# Altium PCB PCB3.PcbDoc (part 2 of 8) (continued)
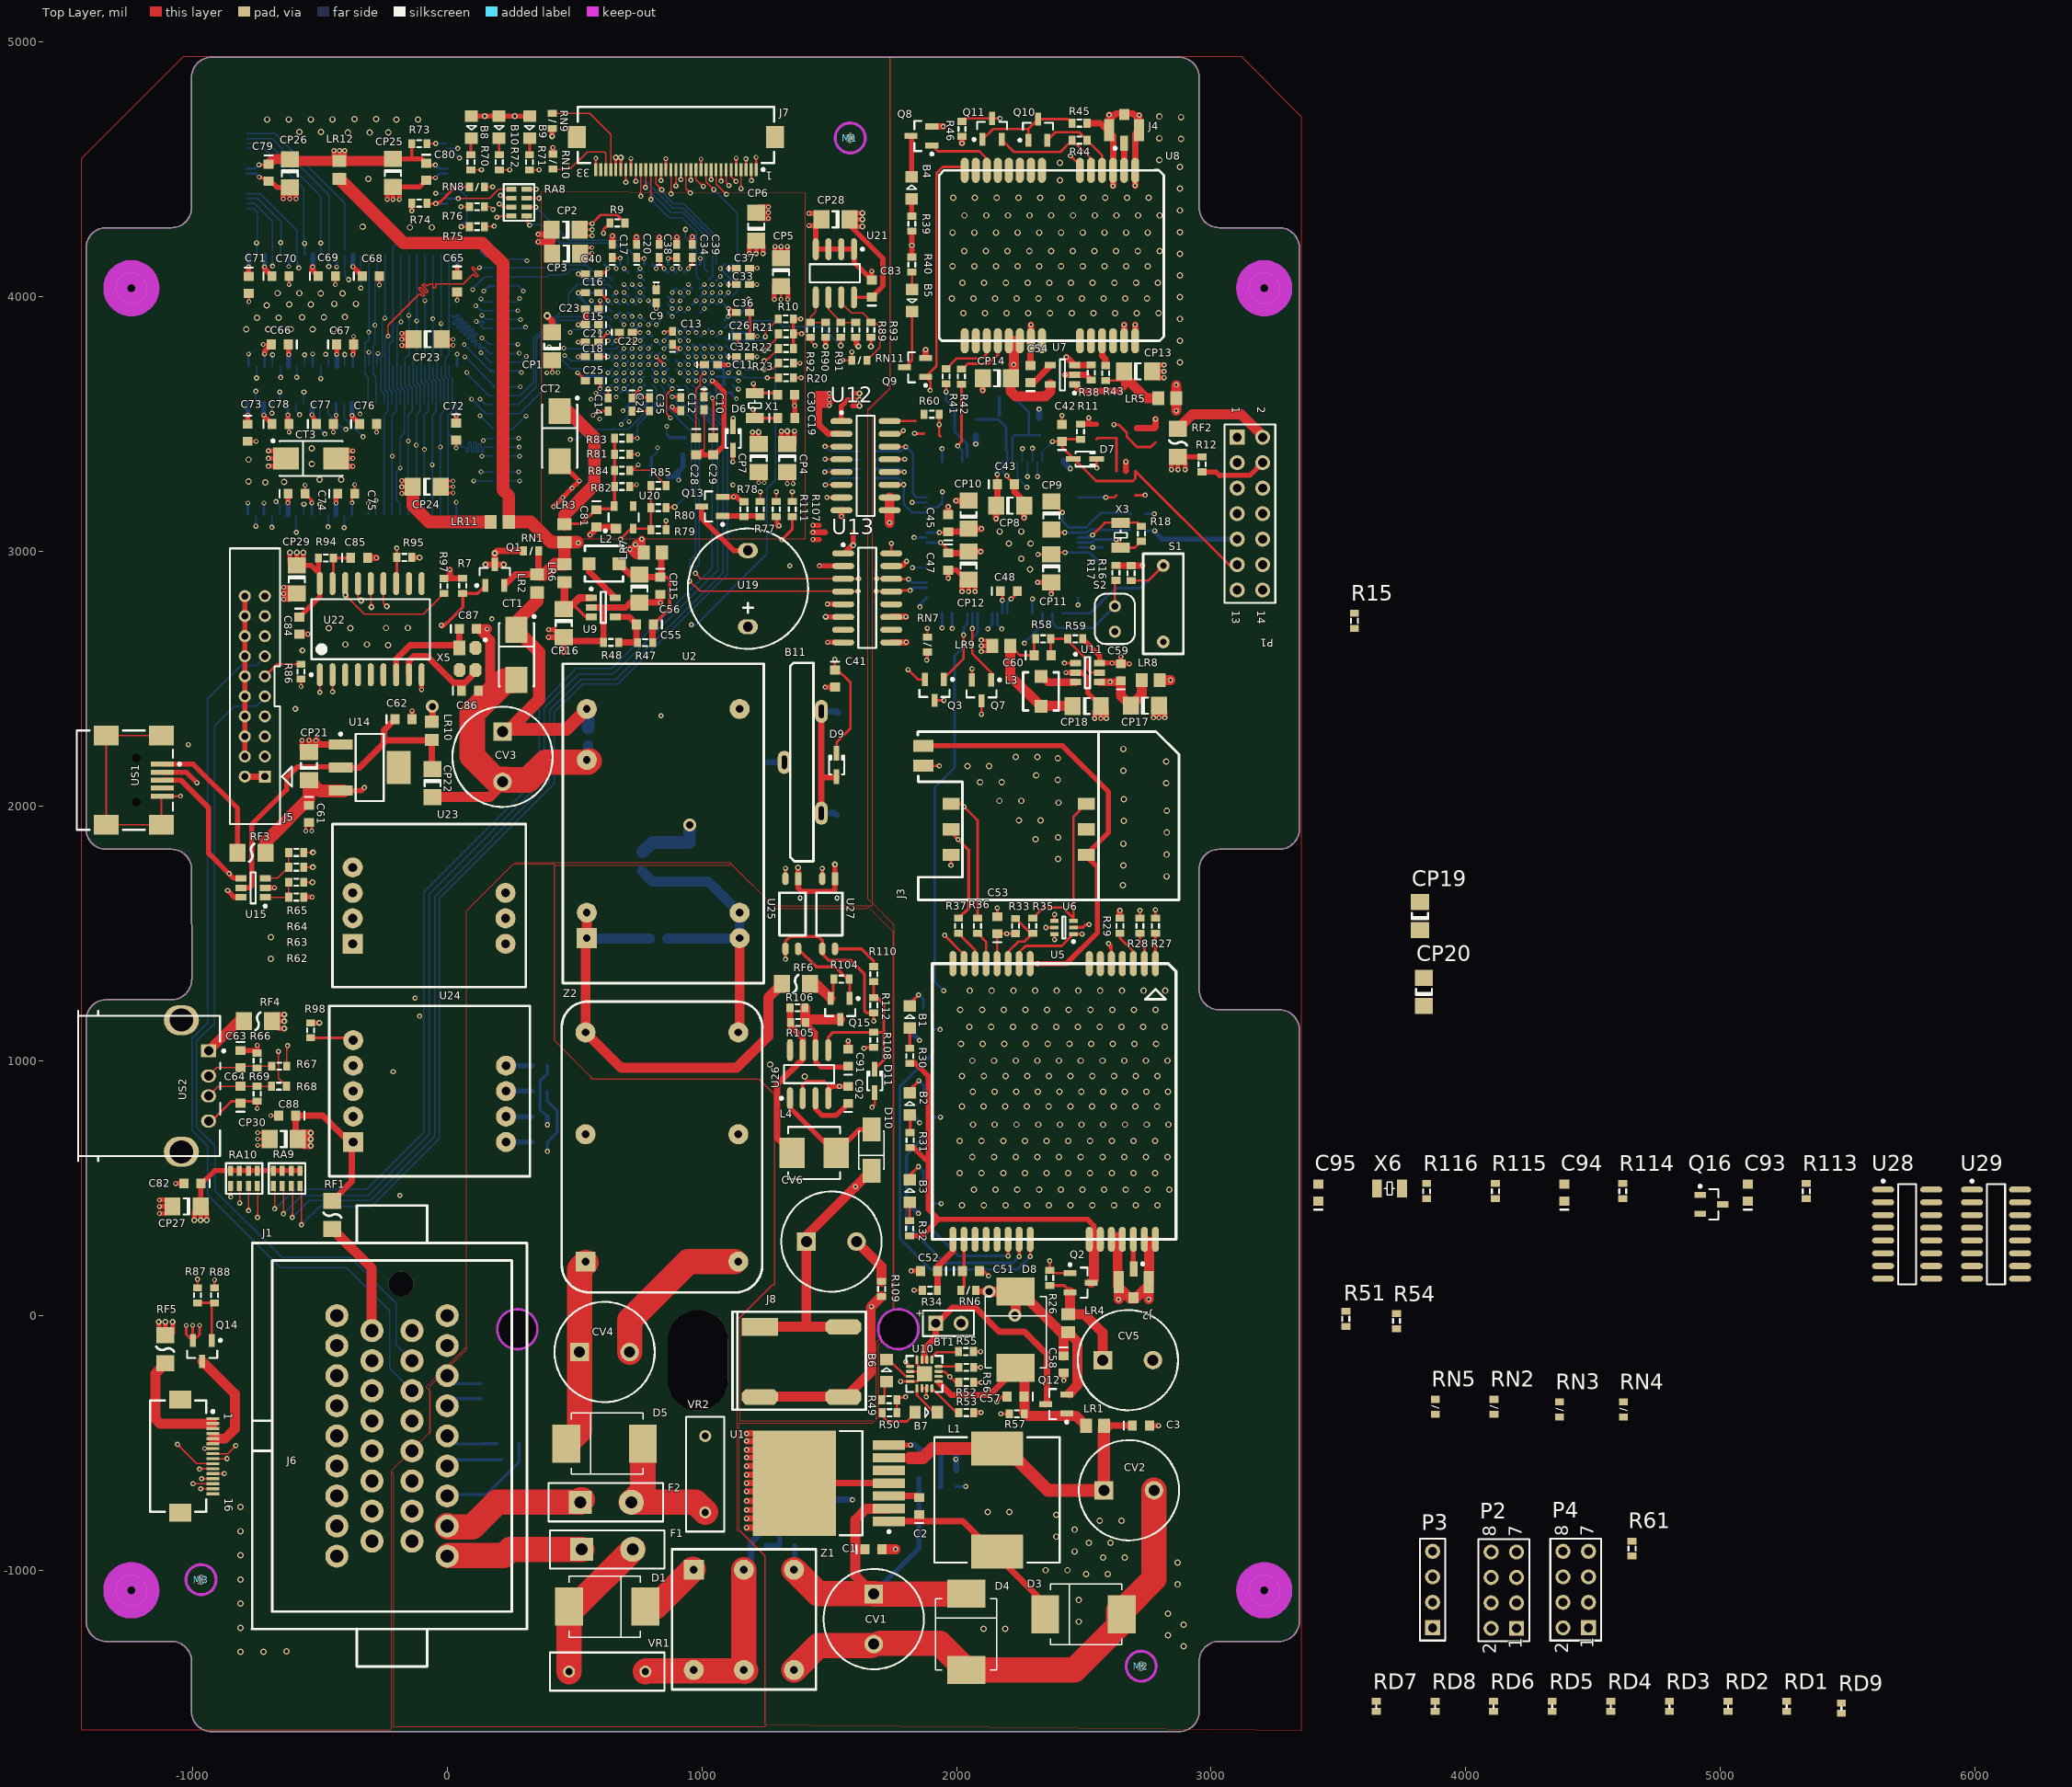
[diagram p0: Top Layer view]
## Nets (pads, with @x,y where several pads share a name; then routed paths per layer and width w, separated by ;. In a path a pad name is that pad's centre, name@x,y a point inside that pad or via, vN(x,y) a via of type N, cw(c..) or ccw(c..) an arc to the next point about the centre after c; other vN are vias at no path point)
10: R115.1 R116.2 U28.10
11: C95.1 R116.1 U28.11 X6.1
ACC: R15.2 R60.2 R61.1 U28.16 U29.16 | length 2169
  Top Layer w10: v2@1928.55,3495.48 cw(c1920.01,3486.94) 1932.09,3486.94 cw(c1944.16,3486.95) v2@1935.62,3495.48 ; v2@1928.55,3502.55 ccw(c1920.01,3511.09) 1932.09,3511.09 ccw(c1944.16,3511.09) v2@1935.62,3502.55 ; R60.2@1932.09,3539.37 v2(1932.09,3499.02) 1932.09,3462.6 1932.09,3456.69 1937.01,3451.77 ; v2@2619.09,3498.03 2636.81,3498.03 2669.29,3465.55 2669.29,3449.81 2708.66,3410.43 2762.8,3410.43 2781.5,3429.13 ; v2@2621.65,3502.55 ccw(c2632.56,3513.46) 2632.56,3498.03
  DATA w10: v2@1928.55,3495.48 cw(c1920.02,3486.95) 1932.09,3486.95 cw(c1944.16,3486.95) 1935.62,3495.48 cw(c1944.16,3486.95) 1944.16,3499.02 cw(c1944.16,3511.09) v2@1935.62,3502.55 ; v2@2473.83,2786.82 ccw(c2465.29,2778.28) 2465.29,2790.35 ccw(c2465.29,2802.43) v2@2473.83,2793.89 ; v2(2477.36,2790.35) 2358.27,2790.35 2038.39,3110.24 2038.39,3347.44 1932.09,3453.74 v2(1932.09,3499.02) v2(2618.11,3499.02) ; v2@2614.57,3495.48 ccw(c2606.04,3486.95) 2606.04,3499.02 ccw(c2606.04,3511.09) v2@2614.57,3502.55
  Bottom Layer w10: v2@2473.83,2793.89 ccw(c2465.29,2802.43) 2477.36,2802.43 ccw(c2489.43,2802.43) v2@2480.9,2793.89 ; v2(2477.36,2790.35) 2477.36,2818.9
ACC24: C6.1 R5.2 U4.100 | length 5768.7
  DATA w25: v2@1592.52,-723.43 2219.49,-723.43 2349.41,-593.5 2722.44,-593.5 2902.56,-413.39 2902.56,3109.25 2715.55,3296.26 2476.38,3296.26 v2(2446.85,3325.79)
  Bottom Layer w25: R5.2@1438.98,-723.43 v2(1591.54,-723.43) ; R5.2@1438.98,-720.47 C6.1@1438.98,-652.56 ; 2422.24,3357.28 2422.24,3350.39 v2(2446.85,3325.79)
AFALE: RA8.5 U3.D1 | length 573.9
  Top Layer w5: RA8.5@312.48,4317.58 312.48,4292.83 ; v2@316.35,4282.17 ccw(c303.01,4283.37) 312.48,4292.83 ; v2@323.15,4288.97 cw(c321.95,4302.3) 312.48,4292.83 ; v2(323.82,4281.5) 312.48,4292.83
  Bottom Layer w5: v2(323.82,4281.5) 325.79,4283.46 370.08,4283.46 442.91,4210.63 659.86,4210.63 710.6,4159.88 U3.D1@710.6,4127.4 ; v2@325.59,4279.73 cw(c334.61,4270.71) 334.61,4283.46 ; v2@329.12,4276.19 cw(c346.68,4258.64) 346.68,4283.46 ; v2@329.12,4286.8 ccw(c337.17,4294.85) 337.17,4283.46
AFCLE: R75.2 U3.F5 | length 958.3
  Top Layer w5: R75.2@146.65,4275.59 v2@183.07,4275.59 ; 162.18,4275.59 ccw(c162.18,4300.42) v2@179.74,4282.86 ; 171.69,4275.59 cw(c171.69,4264.2) v2@179.74,4272.26 ; 174.25,4275.59 ccw(c174.25,4288.35) v2@183.27,4279.33
  ADDR w5: v2(185.04,4277.56) 210.63,4277.56 238.19,4305.12 622.46,4305.12 742.1,4185.47 742.1,4032.92 v1(757.85,4017.17) ; v2@190.34,4272.26 cw(c203.15,4259.45) 203.15,4277.56 cw(c203.15,4295.67) v2@190.34,4282.86 ; v1@751.35,4017.17 ccw(c735.66,4017.17) 746.75,4028.26 ccw(c757.85,4039.36) v1@757.85,4023.67
  Bottom Layer w10: v1@757.85,4013.17 cw(c757.85,4003.51) 764.68,4010.34 cw(c771.51,4017.17) v1@761.85,4017.17 ; v1(757.85,4017.17) U3.F5@773.6,4001.42
AFNFCE: RA8.7 U3.F4 | length 773.1
  Top Layer w5: RA8.7@312.48,4387.58 v2(360.45,4387.58) ; v2@355.15,4382.28 ccw(c342.35,4369.47) 342.35,4387.58 ccw(c342.35,4405.69) v2@355.15,4392.88
  DATA w5: v2(360.45,4387.58) 535.65,4387.58 726.38,4196.85 726.38,4080.14 v1(757.85,4048.66) ; v2@365.76,4382.28 cw(c378.56,4369.47) 378.56,4387.58 cw(c378.56,4405.69) v2@365.76,4392.88 ; v1@751.35,4048.66 ccw(c735.66,4048.66) 746.75,4059.76 ccw(c757.85,4070.86) v1@757.85,4055.16
  Bottom Layer w10: v1@757.85,4044.66 cw(c757.85,4035.01) 764.68,4041.84 cw(c771.51,4048.66) v1@761.85,4048.66 ; v1(757.85,4048.66) U3.F4@773.6,4032.92
AFNFRE: RA8.6 U3.E1 | length 595.9
  Top Layer w5: RA8.6@312.48,4352.58 v2(348.21,4352.58) ; v2@342.91,4347.28 ccw(c330.1,4334.47) 330.1,4352.58 ccw(c330.1,4370.69) v2@342.91,4357.88
  Bottom Layer w5: v2@348.21,4345.08 cw(c348.21,4326.97) 361.01,4339.78 cw(c373.82,4352.58) v2@355.71,4352.58 ; v2(348.21,4352.58) 479.33,4221.46 675.61,4221.46 742.1,4154.96 U3.E1@742.1,4127.4
AFNFWE: RA8.8 U3.F3 | length 772.8
  Top Layer w5: RA8.8@312.48,4422.58 v2(349.74,4422.58) ; v2@344.44,4417.28 ccw(c331.64,4404.47) 331.64,4422.58 ccw(c331.64,4440.69) v2@344.44,4427.88
  DATA w5: v2(349.74,4422.58) 529.19,4422.58 742.1,4209.67 742.1,4095.91 v1(757.85,4080.16) ; v2@355.05,4417.28 cw(c367.85,4404.47) 367.85,4422.58 cw(c367.85,4440.69) v2@355.05,4427.88 ; v1@751.35,4080.16 ccw(c735.66,4080.16) 746.75,4091.26 ccw(c757.85,4102.35) v1@757.85,4086.66
  Bottom Layer w10: v1@757.85,4076.16 cw(c757.85,4066.5) 764.68,4073.33 cw(c771.51,4080.16) v1@761.85,4080.16 ; v1(757.85,4080.16) U3.F3@773.6,4064.41
AFRNB: R76.2 U3.G6 | length 1012
  Top Layer w5: R76.2@146.65,4353.84 169.78,4353.84 ; v2@172.72,4344.72 ccw(c162.37,4346.42) 169.78,4353.84 ; v2@178.9,4350.9 cw(c177.2,4361.26) 169.78,4353.84 ; v2(180.12,4343.5) 169.78,4353.84
  ADDR w5: v2(180.12,4343.5) 202.76,4343.5 217.03,4329.23 627.46,4329.23 789.34,4167.35 v1(789.34,3985.67) ; v2@185.42,4338.2 cw(c198.22,4325.4) 198.22,4343.5 cw(c198.22,4361.61) v2@185.42,4348.81 ; v1@784.75,3990.27 ccw(c773.65,4001.36) 789.34,4001.36 ccw(c805.04,4001.36) v1@793.94,3990.27
  Bottom Layer w10: v1@789.34,3981.67 cw(c789.34,3972.02) 796.17,3978.84 cw(c803,3985.67) v1@793.34,3985.67 ; v1(789.34,3985.67) U3.G6@805.09,3969.92
ALADDR2: RA3.2 U3.B7 | length 649.7
  DATA w5: v1(277.82,3946.02) 287.82,3946.02 ; v1@283.76,3943.38 cw(c287.82,3941.57) 287.82,3946.02 ; v1@283.76,3948.65 ccw(c287.82,3950.46) 287.82,3946.02 ; 534.58,3978.78 ccw(c534.58,4018) v1@562.31,3990.27 ; 546.65,3978.78 ccw(c546.65,4005.92) v1@565.84,3986.73 ; 558.72,3978.78 ccw(c558.72,3993.85) v1@569.38,3983.2 ; v1(566.9,3985.67) 560.01,3978.78 348.05,3978.78 343.57,3974.3 ccw(c347.1,3970.76) 343.57,3967.23 346.06,3964.74 cw(c342.52,3961.2) 346.06,3957.67 cw(c342.52,3961.2) 338.99,3957.67 332.96,3963.69 322.35,3974.3 ccw(c318.82,3970.76) 315.28,3974.3 ccw(c318.82,3970.76) 315.28,3967.23 322.35,3960.16 cw(c318.82,3956.62) 322.35,3953.09 315.28,3946.02 307.82,3946.02 ccw(c307.82,3941.02) 302.82,3941.02 302.82,3931.02 cw(c297.82,3931.02) 297.82,3926.02 cw(c297.82,3931.02) 292.82,3931.02 292.82,3941.02 ccw(c287.82,3941.02) 287.82,3946.02
  Bottom Layer w5: RA3.2@242.95,3946.02 v1(277.82,3946.02) ; v1@273.22,3941.42 ccw(c262.13,3930.32) 262.13,3946.02 ccw(c262.13,3961.71) v1@273.22,3950.61 ; v1@566.9,3979.17 cw(c566.9,3963.48) 578,3974.57 cw(c589.1,3985.67) v1@573.4,3985.67 ; v1(566.9,3985.67) 598.4,3954.17 631.86,3954.17 U3.B7@647.61,3938.43
ALADDR3: RA4.1 U3.F8 | length 705.9
  DATA w5: v1(278.06,3813.96) 317.43,3813.96 453.71,3950.24 730.29,3950.24 v1(757.85,3922.68) ; v1@282.66,3809.36 cw(c293.76,3798.26) 293.76,3813.96 cw(c293.76,3829.65) v1@282.66,3818.55 ; v1@751.35,3922.68 ccw(c735.66,3922.68) 746.75,3933.77 ccw(c757.85,3944.87) v1@757.85,3929.18
  Bottom Layer w5: RA4.1@231.8,3813.96 RA4.1@242.95,3813.96 v1(278.06,3813.96) ; v1@273.47,3809.36 ccw(c262.37,3798.26) 262.37,3813.96 ccw(c262.37,3829.65) v1@273.47,3818.55
  Bottom Layer w10: RA4.1@231.8,3813.96 RA4.1@232.26,3814.41 ; v1@757.85,3918.68 cw(c757.85,3909.02) 764.68,3915.85 cw(c771.51,3922.68) v1@761.85,3922.68 ; v1(757.85,3922.68) U3.F8@773.6,3906.93
ALADDR4: RA4.3 U3.C7 | length 997.7
  DATA w5: v1(311,3766.18) 318.07,3773.25 cw(c321.6,3769.72) 325.14,3773.25 332.21,3766.18 ccw(c335.75,3769.72) 339.28,3766.18 ccw(c335.75,3769.72) 339.28,3773.25 332.21,3780.32 cw(c335.75,3783.86) 332.21,3787.4 cw(c335.75,3783.86) 339.28,3787.4 346.35,3780.32 ccw(c349.89,3783.86) 353.42,3780.32 ccw(c349.89,3783.86) 353.42,3787.4 346.35,3794.47 cw(c349.89,3798) 346.35,3801.54 cw(c349.89,3798) 353.42,3801.54 360.5,3794.47 ccw(c364.03,3798) 367.57,3794.47 ccw(c364.03,3798) 367.57,3801.54 360.5,3808.61 cw(c364.03,3812.14) 360.5,3815.68 cw(c364.03,3812.14) 367.57,3815.68 374.64,3808.61 ccw(c378.17,3812.14) 381.71,3808.61 ccw(c378.17,3812.14) 381.71,3815.68 374.64,3822.75 cw(c378.17,3826.29) 374.64,3829.82 cw(c378.17,3826.29) 381.71,3829.82 388.78,3822.75 ccw(c392.32,3826.29) 395.85,3822.75 ccw(c392.32,3826.29) 395.85,3829.82 388.78,3836.89 cw(c392.32,3840.43) 388.78,3843.96 cw(c392.32,3840.43) 395.85,3843.96 402.92,3836.89 ccw(c406.46,3840.43) 409.99,3836.89 ccw(c406.46,3840.43) 409.99,3843.96 402.92,3851.04 cw(c406.46,3854.57) 402.92,3858.11 cw(c406.46,3854.57) 409.99,3858.11 417.06,3851.04 ccw(c420.6,3854.57) 424.14,3851.03 ccw(c420.6,3854.57) 424.14,3858.11 417.06,3865.18 cw(c420.6,3868.71) 417.06,3872.25 cw(c420.6,3868.71) 424.14,3872.25 431.21,3865.18 ccw(c434.74,3868.71) 438.28,3865.18 ccw(c434.74,3868.71) 438.28,3872.25 431.21,3879.32 cw(c434.74,3882.85) 431.21,3886.39 cw(c434.74,3882.85) 438.28,3886.39 445.35,3879.32 ccw(c448.88,3882.85) 452.42,3879.32 ccw(c448.88,3882.85) 452.42,3886.39 445.35,3893.46 cw(c448.88,3897) 445.35,3900.53 cw(c448.88,3897) 452.42,3900.53 459.49,3893.46 ccw(c463.03,3897) 466.56,3893.46 ccw(c463.03,3897) 466.56,3900.53 459.49,3907.6 cw(c463.03,3911.14) 459.49,3914.67 467.49,3922.68 487.49,3922.68 cw(c487.49,3917.68) 492.49,3917.68 492.49,3907.68 ccw(c497.49,3907.68) 497.49,3902.68 ccw(c497.49,3907.68) 502.49,3907.68 502.49,3917.68 cw(c507.49,3917.68) 507.49,3922.68 cw(c507.49,3917.68) 512.49,3917.68 512.49,3912.13 ccw(c517.49,3912.13) 517.49,3907.13 ccw(c517.49,3912.13) 522.49,3912.13 522.49,3917.68 cw(c527.49,3917.68) 527.49,3922.68 cw(c527.49,3917.68) 532.49,3917.68 532.49,3907.68 ccw(c537.49,3907.68) 537.49,3902.68 ccw(c537.49,3907.68) 542.49,3907.68 542.49,3921.89 cw(c543.28,3921.89) 543.28,3922.68 v1(663.36,3922.68) ; v1@312.68,3772.46 ccw(c314.46,3779.08) 317.88,3773.15 ; v1@317.45,3766.97 cw(c325.82,3767.99) 321.6,3775.29 ; v1@658.76,3918.08 ccw(c647.67,3906.99) 647.67,3922.68 ccw(c647.67,3938.37) v1@658.76,3927.27
  Bottom Layer w5: RA4.3@242.95,3743.96 288.77,3743.96 v1(311,3766.18) ; v1@304.5,3766.18 cw(c288.81,3766.18) 299.9,3755.09 cw(c311,3743.99) v1@311,3759.68
  Bottom Layer w10: v1(663.36,3922.68) U3.C7@679.11,3938.43 ; v1@663.36,3926.68 ccw(c663.36,3936.34) 670.19,3929.51 ccw(c677.02,3922.68) v1@667.36,3922.68
ALADDR5: RA4.2 U3.D8 | length 641.2
  DATA w5: v1(283.42,3778.96) 295.25,3790.79 312.97,3790.79 460.36,3938.18 679.36,3938.18 v1(694.86,3922.68) ; v1@283.42,3785.46 ccw(c283.42,3801.15) 294.51,3790.05 ccw(c305.61,3778.96) v1@289.92,3778.96 ; v1@688.36,3922.68 ccw(c672.66,3922.68) 683.76,3933.77 ccw(c694.86,3944.87) v1@694.86,3929.18
  Bottom Layer w5: RA4.2@242.95,3778.96 246.06,3778.96 v1(283.42,3778.96) ; v1@278.82,3774.36 ccw(c267.73,3763.26) 267.73,3778.96 ccw(c267.73,3794.65) v1@278.82,3783.55
  Bottom Layer w10: RA4.2@246.06,3778.96 RA4.2@249.97,3775.04 ; v1@694.86,3918.68 cw(c694.86,3909.02) 701.69,3915.85 cw(c708.51,3922.68) v1@698.86,3922.68 ; v1(694.86,3922.68) U3.D8@710.6,3906.93
ALADDR6: RA6.3 U3.E8 | length 891.7
  DATA w5: v1(283.49,3409.84) 370.05,3496.4 370.05,3531.93 545.25,3707.13 545.25,3838.03 582.69,3875.48 710.65,3875.48 v1(726.35,3891.18) ; v1@283.49,3416.34 ccw(c283.49,3432.03) 294.58,3420.93 ccw(c305.68,3409.84) v1@289.99,3409.84 ; v1@719.85,3891.18 cw(c704.16,3891.18) 715.26,3880.09 cw(c726.35,3868.99) v1@726.35,3884.68
  Bottom Layer w5: RA6.3@242.95,3409.84 v1(283.49,3409.84) ; v1@278.89,3405.24 ccw(c267.79,3394.14) 267.79,3409.84 ccw(c267.79,3425.53) v1@278.89,3414.43
  Bottom Layer w10: v1(726.35,3891.18) U3.E8@742.1,3906.93 ; v1@726.35,3895.18 ccw(c726.35,3904.84) 733.18,3898.01 ccw(c740.01,3891.18) v1@730.35,3891.18
ALADDR7: RA6.1 U3.D7 | length 861
  DATA w5: v1(310.04,3532.48) 310.04,3535.89 478.32,3704.17 478.32,3826.22 558.78,3906.68 710.36,3906.68 v1(726.35,3922.68) ; v1@310.04,3538.98 ccw(c310.04,3546.43) 315.31,3541.16 ; v1@311.54,3532.48 cw(c323.4,3532.48) 315.01,3540.87 ; v1@316.54,3532.48 cw(c340.47,3532.48) 323.55,3549.4 ; v1@719.85,3922.68 cw(c704.16,3922.68) 715.26,3911.58 cw(c726.35,3900.49) v1@726.35,3916.18
  Bottom Layer w5: RA6.1@242.95,3479.84 256.94,3479.84 309.58,3532.48 v1(310.04,3532.48) ; 298.16,3521.06 cw(c310.04,3509.18) v1@310.04,3525.98 ; 299.27,3522.17 ccw(c288.96,3532.48) v1@303.54,3532.48
  Bottom Layer w10: U3.D7@710.6,3938.43 v1(726.35,3922.68) ; v1@722.35,3922.68 ccw(c712.7,3922.68) 719.52,3929.51 ccw(c726.35,3936.34) v1@726.35,3926.68
ALADDR8: RA7.1 U3.G8 | length 1009.4
  DATA w5: v1(280.82,3312.78) 404.5,3436.46 404.5,3519.14 586.59,3701.22 586.59,3787.84 609.19,3810.43 670.21,3810.43 703.71,3843.94 764,3843.94 764.25,3844.19 773.6,3853.51 773.6,3874.94 789.34,3890.69 v1(789.34,3891.18) ; v1@280.82,3319.28 ccw(c280.82,3334.97) 291.92,3323.87 ccw(c303.01,3312.78) v1@287.32,3312.78 ; 777.9,3879.24 ccw(c765.96,3891.18) v1@782.84,3891.18 ; 779.1,3880.44 cw(c789.34,3870.19) v1@789.34,3884.68
  Bottom Layer w5: RA7.1@242.95,3312.78 v1(280.82,3312.78) ; v1@276.22,3308.18 ccw(c265.13,3297.08) 265.13,3312.78 ccw(c265.13,3328.47) v1@276.22,3317.37
  Bottom Layer w10: v1(789.34,3891.18) U3.G8@805.09,3906.93 ; v1@789.34,3895.18 ccw(c789.34,3904.84) 796.17,3898.01 ccw(c803,3891.18) v1@793.34,3891.18
ALADDR9: RA5.3 U3.B8 | length 662.8
  Bottom Layer w5: RA5.3@242.95,3576.9 279.19,3576.9 348.54,3646.25 348.54,3831.28 439.94,3922.68 631.86,3922.68 U3.B8@647.61,3906.93
ALADDR10: RA5.4 U3.A8 | length 671.9
  Bottom Layer w5: 222.54,3541.9 RA5.4@242.95,3541.9 284.55,3541.9 371.04,3628.39 371.04,3838.03 440.35,3907.35 552.71,3907.35 553.12,3906.93 U3.A8@616.12,3906.93
  Bottom Layer w10: 222.54,3541.9 RA5.4@225.37,3544.73
ALADDR11: RA6.2 U3.C8 | length 846.8
  DATA w5: v1@276.37,3449.43 ccw(c265.27,3460.53) 280.97,3460.53 ccw(c296.66,3460.53) v1@285.56,3449.43 ; v1(280.97,3444.84) 280.97,3474.34 494.07,3687.44 494.07,3826.22 559.03,3891.18 v1(694.86,3891.18) ; v1@690.26,3886.59 ccw(c679.16,3875.49) 679.16,3891.18 ccw(c679.16,3906.87) v1@690.26,3895.78
  Bottom Layer w5: RA6.2@242.95,3444.84 v1(280.97,3444.84) ; v1@276.37,3440.24 ccw(c265.27,3429.14) 265.27,3444.84 ccw(c265.27,3460.53) v1@276.37,3449.43
  Bottom Layer w10: U3.C8@679.11,3906.93 v1(694.86,3891.18) ; v1@690.86,3891.18 ccw(c681.2,3891.18) 688.03,3898.01 ccw(c694.86,3904.84) v1@694.86,3895.18
ALADDR12: RA4.4 U3.B9 | length 591.9
  DATA w5.91: v1(291.29,3703.18) 325.75,3703.18 v1(483.24,3860.67) ; v1@295.56,3698.91 cw(c305.89,3688.58) 305.89,3703.18 cw(c305.89,3717.78) v1@295.56,3707.46 ; v1@477.2,3860.67 cw(c462.6,3860.67) 472.92,3850.35 cw(c483.24,3840.02) v1@483.24,3854.62
  Bottom Layer w5.91: RA4.4@242.95,3708.96 285.51,3708.96 v1(291.29,3703.18) ; RA4.4@262.75,3708.96 cw(c262.75,3674.64) v1@287.01,3698.91 ; 277,3708.96 cw(c277,3688.9) v1@291.19,3703.08 ; v1(483.24,3860.67) 483.24,3865.54 490.13,3872.43 ; v1@488.65,3863.37 cw(c495.69,3866.87) 490.13,3872.43 ; 632.79,3890.26 574.42,3890.26 556.59,3872.43 490.13,3872.43
  Bottom Layer w6: 632.79,3890.26 U3.B9@647.61,3875.43
ALADDR13: RA7.2 U3.H8 | length 1075.2
  DATA w5: v1(284.21,3277.78) 419.76,3413.33 419.76,3509.78 600.37,3690.39 600.37,3777.99 619.07,3796.69 672.94,3796.69 688.44,3812.19 772.36,3812.19 820.84,3860.67 v1(820.84,3891.18) ; v1@284.21,3284.28 ccw(c284.21,3299.97) 295.3,3288.87 ccw(c306.4,3277.78) v1@290.71,3277.78 ; v1@816.24,3886.59 cw(c805.15,3875.49) 820.84,3875.49 cw(c836.53,3875.49) v1@825.44,3886.59
  Bottom Layer w5: RA7.2@242.95,3277.78 RA7.2@253.7,3277.78 ; RA7.2@253.91,3277.99 RA7.2@253.7,3277.78 ; v1@279.61,3273.18 ccw(c268.51,3262.08) 268.51,3277.78 ccw(c268.51,3293.47) v1@279.61,3282.37 ; v1(284.21,3277.78) RA7.2@253.7,3277.78
  Bottom Layer w10: RA7.2@238.8,3281.93 RA7.2@242.95,3277.78 ; v1(820.84,3891.18) U3.H8@836.59,3906.93 ; v1@820.84,3895.18 ccw(c820.84,3904.84) 827.67,3898.01 ccw(c834.5,3891.18) v1@824.84,3891.18
ALADDR14: RA6.4 U3.E9 | length 924.9
  DATA w5: v1(284.81,3374.84) 389.74,3479.76 389.74,3527.99 564.94,3703.19 564.94,3799.65 609.23,3843.94 648.6,3843.94 665.33,3860.67 727.34,3860.67 v1(757.85,3891.18) ; v1@284.81,3381.34 ccw(c284.81,3397.03) 295.91,3385.93 ccw(c307,3374.84) v1@291.31,3374.84 ; v1@751.35,3891.18 cw(c735.66,3891.18) 746.75,3880.09 cw(c757.85,3868.99) v1@757.85,3884.68
  Bottom Layer w5: RA6.4@242.95,3374.84 v1(284.81,3374.84) ; v1@280.21,3370.24 ccw(c269.12,3359.14) 269.12,3374.84 ccw(c269.12,3390.53) v1@280.21,3379.43
  Bottom Layer w10: U3.E9@742.1,3875.43 v1(757.85,3891.18) ; v1@753.85,3891.18 cw(c744.19,3891.18) 751.02,3884.35 cw(c757.85,3877.53) v1@757.85,3887.18
ALADDR24: RA5.1 U3.C11 | length 613.2
  DATA w5: v1(287.19,3646.9) 308.84,3646.9 v1@459.62,3797.68 ; v1@291.78,3642.3 cw(c302.88,3631.2) 302.88,3646.9 cw(c302.88,3662.59) v1@291.78,3651.49 ; 446.15,3784.21 ccw(c431.69,3798.66) v1@452.14,3798.66 ; 450.9,3788.96 cw(c458.64,3781.22) v1@458.64,3792.16
  Bottom Layer w5: RA5.1@242.95,3646.9 v1(287.19,3646.9) ; v1@282.59,3642.3 ccw(c271.49,3631.2) 271.49,3646.9 ccw(c271.49,3662.59) v1@282.59,3651.49 ; v1@459.62,3797.68 460.86,3796.43 663.1,3796.43 U3.C11@679.11,3812.44 ; v1@459.7,3799.72 ccw(c467.64,3807.66) 467.64,3796.43 ; v1@463.23,3794.07 cw(c468.95,3788.35) 468.95,3796.43 ; v1@463.23,3803.26 ccw(c479.71,3819.73) 479.71,3796.43
  other v1: 458.64,3798.66
ALADDR25: RA3.4 U3.G10 | length 952.7
  DATA w5: v1(308.05,3881.34) 310.01,3881.34 317.89,3889.21 ; v1@310.21,3887.47 ccw(c312.66,3894.44) 317.89,3889.21 ; v1@314.55,3881.34 cw(c325.49,3881.34) 317.75,3889.08 ; v1(789.34,3859.69) 805.09,3875.43 805.09,3907.91 752.33,3960.67 389.35,3960.67 374.46,3945.78 cw(c370.92,3949.32) 367.39,3945.78 367.04,3946.13 ccw(c363.5,3942.59) 359.97,3946.13 ccw(c363.5,3942.59) 359.97,3939.06 363.85,3935.18 369.73,3929.3 cw(c366.19,3925.76) 369.73,3922.23 cw(c366.19,3925.76) 362.66,3922.23 356.78,3928.1 352.9,3931.99 ccw(c349.36,3928.45) 345.83,3931.99 ccw(c349.36,3928.45) 345.83,3924.91 360.31,3910.43 cw(c356.78,3906.89) 360.31,3903.36 cw(c356.78,3906.89) 353.24,3903.36 342.64,3913.96 338.76,3917.84 ccw(c335.22,3914.31) 331.68,3917.84 ccw(c335.22,3914.31) 331.68,3910.77 335.57,3906.89 346.17,3896.28 cw(c342.64,3892.75) 346.17,3889.21 cw(c342.64,3892.75) 339.1,3889.21 324.61,3903.7 ccw(c321.08,3900.17) 317.54,3903.7 ccw(c321.08,3900.17) 317.54,3896.63 317.89,3896.28 cw(c314.35,3892.75) 317.89,3889.21 ; v1@789.34,3866.19 ccw(c789.34,3881.88) 800.44,3870.78 ccw(c811.54,3859.69) v1@795.84,3859.69
  Bottom Layer w5: RA3.4@242.95,3876.02 302.72,3876.02 v1(308.05,3881.34) ; 279.5,3876.02 ccw(c279.5,3909.88) v1@303.45,3885.94 ; 291.57,3876.02 ccw(c291.57,3897.81) v1@306.98,3882.4
  Bottom Layer w10: v1@789.34,3855.69 cw(c789.34,3846.03) 796.17,3852.86 cw(c803,3859.69) v1@793.34,3859.69 ; v1(789.34,3859.69) U3.G10@805.09,3843.94
ALNSCAS: RA2.4 U3.D6 | length 608.4
  DATA w5: v1@299.19,4016.57 cw(c299.19,4000.88) 310.28,4011.98 cw(c321.38,4023.07) v1@305.69,4023.07 ; v1(299.19,4023.07) 312.97,4009.29 462.57,4009.29 488.16,4034.88 623.99,4034.88 647.86,4011.01 647.86,4010.75 656.94,4001.67 678.86,4001.67 v1(694.86,3985.67) ; v1@688.36,3985.67 ccw(c672.66,3985.67) 683.76,3996.77 ccw(c694.86,4007.86) v1@694.86,3992.17
  Bottom Layer w5: RA2.4@242.95,4043.08 279.18,4043.08 v1(299.19,4023.07) ; v1@292.69,4023.07 ccw(c276.99,4023.07) 288.09,4034.17 ccw(c299.19,4045.26) v1@299.19,4029.57
  Bottom Layer w10: v1@694.86,3981.67 cw(c694.86,3972.02) 701.69,3978.84 cw(c708.51,3985.67) v1@698.86,3985.67 ; v1(694.86,3985.67) U3.D6@710.6,3969.92
ALNSCS0: RA2.1 U3.D2 | length 782.4
  DATA w5: v1(312.94,4142.18) 330.68,4142.17 ccw(c330.68,4147.17) 335.68,4147.17 335.68,4154.83 cw(c340.68,4154.83) 340.68,4159.83 cw(c340.68,4154.83) 345.68,4154.83 345.68,4129.5 ccw(c350.68,4129.5) 350.68,4124.5 ccw(c350.68,4129.5) 355.68,4129.5 355.68,4154.83 cw(c360.68,4154.83) 360.68,4159.83 cw(c360.68,4154.83) 365.68,4154.83 365.68,4129.5 ccw(c370.68,4129.5) 370.68,4124.5 ccw(c370.68,4129.5) 375.68,4129.5 375.68,4154.83 cw(c380.68,4154.83) 380.68,4159.83 cw(c380.68,4154.83) 385.68,4154.83 385.68,4129.5 ccw(c390.68,4129.5) 390.68,4124.5 ccw(c390.68,4129.5) 395.68,4129.5 395.68,4137.17 cw(c400.68,4137.17) 400.68,4142.17 522.86,4142.17 535.09,4129.93 676.58,4129.93 v1(694.86,4111.66) ; v1@317.54,4137.58 cw(c328.6,4126.52) 328.6,4142.17 ; v1@317.54,4146.78 ccw(c328.67,4157.9) 328.67,4142.17 ; v1@688.36,4111.66 ccw(c672.66,4111.66) 683.76,4122.75 ccw(c694.86,4133.85) v1@694.86,4118.16
  Bottom Layer w5: RA2.1@242.95,4148.08 307.04,4148.08 v1(312.94,4142.18) ; 283.01,4148.08 cw(c283.01,4112.25) v1@308.35,4137.58 ; 295.08,4148.08 cw(c295.08,4124.32) v1@311.88,4141.12
  Bottom Layer w10: v1@694.86,4107.66 cw(c694.86,4098) 701.69,4104.83 cw(c708.51,4111.66) v1@698.86,4111.66 ; v1(694.86,4111.66) U3.D2@710.6,4095.91
ALNSRAS: RA3.1 U3.C6 | length 523.8
  DATA w5: v1(284.42,3993.54) 285.41,3994.53 531.47,3994.53 540.33,4003.39 636.79,4003.39 654.5,3985.67 v1(663.36,3985.67) ; v1@289.02,3988.95 cw(c302.49,3975.48) 302.49,3994.53 ; v1@289.02,3998.14 ccw(c297.74,4006.86) 297.74,3994.53
  Bottom Layer w5: RA3.1@242.95,3981.02 271.9,3981.02 v1(284.42,3993.54) ; v1@277.92,3993.54 cw(c262.23,3993.54) 273.33,3982.45 cw(c284.42,3971.35) v1@284.42,3987.04
  Bottom Layer w10: v1@663.36,3981.67 cw(c663.36,3972.02) 670.19,3978.84 cw(c677.02,3985.67) v1@667.36,3985.67 ; v1(663.36,3985.67) U3.C6@679.11,3969.92
ALNWE: RA3.3 U3.E6 | length 626.4
  DATA w5: v1@288.51,3909.88 311,3909.88 370.79,3969.67 710.35,3969.67 v1(726.35,3985.67) ; v1@293.11,3906.42 cw(c301.47,3898.06) 301.47,3909.88 ; v1@293.11,3915.61 ccw(c306.94,3929.44) 306.94,3909.88 ; v1@719.85,3985.67 cw(c704.16,3985.67) 715.26,3974.58 cw(c726.35,3963.48) v1@726.35,3979.17
  Bottom Layer w5: RA3.3@242.95,3911.02 v1(288.51,3911.02) ; v1@283.91,3906.42 ccw(c272.82,3895.32) 272.82,3911.02 ccw(c272.82,3926.71) v1@283.91,3915.61
  Bottom Layer w10: RA3.3@242.8,3910.87 RA3.3@242.95,3911.02 ; v1@726.35,3981.67 cw(c726.35,3972.02) 733.18,3978.84 cw(c740.01,3985.67) v1@730.35,3985.67 ; v1(726.35,3985.67) U3.E6@742.1,3969.92
ALSCKE: RA2.2 U3.A2 | length 390.5
  Bottom Layer w5: RA2.2@242.95,4113.08 395.8,4113.08 408.15,4125.43 547.22,4125.43 576.74,4095.91 U3.A2@616.12,4095.91
ALSCLK0: RA5.2 U3.B4 | length 715.5
  Bottom Layer w5: RA5.2@242.95,3611.9 285.65,3611.9 339.54,3665.79 339.54,3836.06 476.35,3972.88 476.35,4013.23 511.79,4048.66 631.87,4048.66 U3.B4@647.61,4032.92
ALSCLK1: RA2.3 U3.B3 | length 434.6
  Bottom Layer w5: RA2.3@242.95,4078.08 390.72,4078.08 399.58,4086.93 463.09,4086.93 483.59,4107.43 529.59,4107.43 557.59,4079.43 632.59,4079.43 U3.B3@647.61,4064.41
AMP_2_ACC24: F2.1 J1.27 | length 572.6
  Top Layer w100: J1.27@0,-824.8 4.92,-829.72 98.43,-829.72 195,-733.15 F2.1@523.46,-733.15 ; F2.1@523.46,-723.43 F2.1@530.51,-723.43
AMP_2_VCC24: F1.1 J1.26 | length 532.4
  Top Layer w100: J1.26@5.91,-941.93 223.43,-941.93 247.2,-918.15 F1.1@528.46,-918.15
AMP_20_DP0: J1.6
AMP_21_DN0: J1.5
ANT: J2.1 U5.28 | length 124.4
  Top Layer w20: U5.28@2694.88,299.21 2694.88,176.18 J2.1@2695.87,175.2
ANT_DET: Q11.3 R46.1 U8.20 | length 640.2
  Top Layer w10: R46.1@2021.65,4688.98 2033.46,4700.79 Q11.3@2139.76,4700.79 v2(2171.26,4700.79) ; v2@2167.72,4697.25 ccw(c2159.19,4688.72) 2159.19,4700.79 ccw(c2159.19,4712.86) v2@2167.72,4704.32 ; v2@2447.83,4549.13 cw(c2447.83,4537.06) 2456.37,4545.6 cw(c2464.91,4554.13) v2@2452.83,4554.13 ; v2(2447.83,4554.13) 2485.2,4516.77 U8.20@2485.2,4497.05
  ADDR w10: v2(2171.26,4700.79) 2301.18,4700.79 v2(2447.83,4554.13) ; v2@2174.79,4697.25 cw(c2183.33,4688.72) 2183.33,4700.79 cw(c2183.33,4712.86) v2@2174.79,4704.32 ; v2@2442.83,4554.13 ccw(c2430.76,4554.13) 2439.3,4562.67 ccw(c2447.83,4571.21) v2@2447.83,4559.13
BACK: R72.2 U3.K2 | length 986.6
  Top Layer w5: R72.2@204.72,4499.17 v2(245.91,4499.17) ; v2@240.6,4493.87 ccw(c227.8,4481.07) 227.8,4499.17 ccw(c227.8,4517.28) v2@240.6,4504.48
  ADDR w5: v2@245.91,4491.67 cw(c245.91,4473.57) 258.71,4486.37 cw(c271.51,4499.17) v2@253.41,4499.17 ; v2(245.91,4499.17) 268.7,4476.38 566.93,4476.38 809.06,4234.25 809.06,4186.43 v1(883.83,4111.65) ; v1@877.33,4111.65 ccw(c861.64,4111.65) 872.74,4122.75 ccw(c883.83,4133.85) v1@883.83,4118.15
  Bottom Layer w10: v1@883.83,4107.65 cw(c883.83,4098) 890.66,4104.83 cw(c897.49,4111.65) v1@887.83,4111.65 ; v1(883.83,4111.65) U3.K2@899.58,4095.91
BAT: BT1.1 Q12.3 R51.2 U10.2 U10.3 | length 906.7
  Top Layer w25: 1874.02,-176.18 1874.02,-129.92 1918.5,-85.43 BT1.1@1918.5,-36.42 ; BT1.1@1916.54,-38.39 BT1.1@1918.5,-36.42 ; BT1.1@1918.5,-30.51 BT1.1@1918.5,-36.42 ; Q12.3@2349.41,-348.43 Q12.3@2350.39,-347.44 2356.3,-341.54 2356.3,-151.57 2267.72,-62.99 2168.31,-62.99 2075.79,29.53 1984.45,29.53 BT1.1@1918.5,-36.42
BATOFF: RN7.2 U4.57 | length 467
  Top Layer w5: v2@1880.52,2693.52 cw(c1867.72,2680.71) 1885.83,2680.71 cw(c1903.93,2680.71) v2@1891.13,2693.52 ; RN7.2@1885.83,2664.37 v2(1885.83,2698.82)
  ADDR w5: v2@1826.77,2929.51 cw(c1826.77,2911.4) 1839.57,2924.2 cw(c1852.38,2937.01) v2@1834.27,2937.01 ; v2(1826.77,2937.01) 1885.83,2877.95 v2(1885.83,2698.82) ; v2@1880.52,2704.12 ccw(c1867.72,2716.93) 1885.83,2716.93 ccw(c1903.93,2716.93) v2@1891.13,2704.12
  Bottom Layer w5: v2(1826.77,2937.01) U4.57@1882.87,2937.01 ; v2@1832.08,2931.7 cw(c1844.88,2918.9) 1844.88,2937.01 cw(c1844.88,2955.11) v2@1832.08,2942.31
BOOT/EINT16/GPG8: J1.4 R10.2 U3.T10 | length 5768
  Top Layer w5: v2@1244.76,3848.99 ccw(c1231.95,3861.8) 1250.06,3861.8 ccw(c1268.17,3861.8) v2@1255.36,3848.99 ; v2(1250.06,3843.69) 1250.06,3863.25 R10.2@1300.2,3913.39
  ADDR w5: J1.4@-433.07,-590.55 -532.48,-491.14 -532.48,125 v2(-186.02,471.46) ; v2@-193.52,471.46 cw(c-211.63,471.46) -198.83,458.65 cw(c-186.02,445.85) v2@-186.02,463.96 ; v2@1250.06,3833.72 v2(1250.06,3843.69)
  DATA w5: v2@-191.33,476.76 ccw(c-204.13,489.56) -186.02,489.56 ccw(c-167.92,489.56) v2@-180.72,476.76 ; v2(-186.02,471.46) -186.02,1385.83 245.08,1816.93 493.11,1816.93 1124.02,2447.83 1124.02,3068.9 1181.92,3126.81 1181.92,3737.2 ; 1182.09,3737.2 1182.09,3776.57 1245.08,3839.57 v2@1245.08,3842.52 ; 1235.79,3830.28 cw(c1250.06,3816.01) v2@1250.06,3836.19 ; 1237.86,3832.35 ccw(c1226.53,3843.69) v2@1242.56,3843.69
  Bottom Layer w5: U3.T10@1088.56,3843.94 1104.31,3828.19 1232.72,3828.19 v2@1246.06,3841.54 ; 1234.11,3829.59 cw(c1250.06,3813.64) v2@1250.06,3836.19 ; 1238.56,3834.03 ccw(c1228.9,3843.69) v2@1242.56,3843.69
BREQ: R71.2 U3.L5 | length 1005.5
  Top Layer w5: R71.2@323.33,4499.17 v2(361.38,4499.17) ; v2@356.07,4493.87 ccw(c343.27,4481.07) 343.27,4499.17 ccw(c343.27,4517.28) v2@356.07,4504.48
  ADDR w5: v2(361.38,4499.17) 595.32,4499.17 860.24,4234.25 860.24,4196.27 899.58,4156.93 899.58,4063.02 915.33,4047.27 v1(915.33,4017.17) ; v2@366.68,4493.87 cw(c379.48,4481.07) 379.48,4499.17 cw(c379.48,4517.28) v2@366.68,4504.48 ; v1@910.73,4021.76 ccw(c899.64,4032.86) 915.33,4032.86 ccw(c931.02,4032.86) v1@919.93,4021.76
  Bottom Layer w10: v1@915.33,4013.17 cw(c915.33,4003.51) 922.16,4010.34 cw(c928.99,4017.17) v1@919.33,4017.17 ; v1(915.33,4017.17) U3.L5@931.08,4001.42
BSL_RX: P4.3 U4.19
BSL_TX: P4.1 U4.18
C\H\G\: B7.2 U10.9 | length 129.8
  Top Layer w10: U10.9@1844.49,-285.43 1844.49,-312.99 1903.54,-372.05 B7.2@1922.24,-372.05
CAN_N: J1.31 R96.2 U23.7 | length 2149.3
  ADDR w20: J1.31@0,-354.33 167.32,-187.01 167.32,1497.9 U23.7@229.11,1559.69
  Bottom Layer w12: J1.31@0,-342.52 15.75,-326.77 R96.2@133.86,-326.77
CAN_P: J1.32 R96.1 U23.6 | length 2123
  ADDR w20: J1.32@0,-236.22 127.95,-108.27 127.95,1552.17 U23.6@235.24,1659.45
  Bottom Layer w12: J1.32@13.78,-244.09 37.4,-267.72 R96.1@133.86,-267.72
DACK: R70.2 U3.K7 | length 1245.9
  Top Layer w5: R70.2@93.48,4499.17 v2(134.69,4499.17) ; v2@129.38,4493.87 ccw(c116.58,4481.07) 116.58,4499.17 ccw(c116.58,4517.28) v2@129.38,4504.48
  ADDR w5: v2@134.69,4491.67 cw(c134.69,4473.57) 147.49,4486.37 cw(c160.29,4499.17) v2@142.19,4499.17 ; v2(134.69,4499.17) 176.18,4457.68 547.24,4457.68 785.41,4219.51 785.41,4191.95 836.59,4140.77 836.59,4094.92 899.58,4031.93 899.58,3969.92 v1(915.33,3954.17) ; v1@908.83,3954.17 ccw(c893.14,3954.17) 904.23,3965.27 ccw(c915.33,3976.37) v1@915.33,3960.67
  Bottom Layer w10: U3.K7@899.58,3938.43 v1(915.33,3954.17) ; v1@911.33,3954.17 cw(c901.67,3954.17) 908.5,3947.35 cw(c915.33,3940.52) v1@915.33,3950.17